# Altium PCB PCB2.PcbDoc (part 1 of 3) (continued)
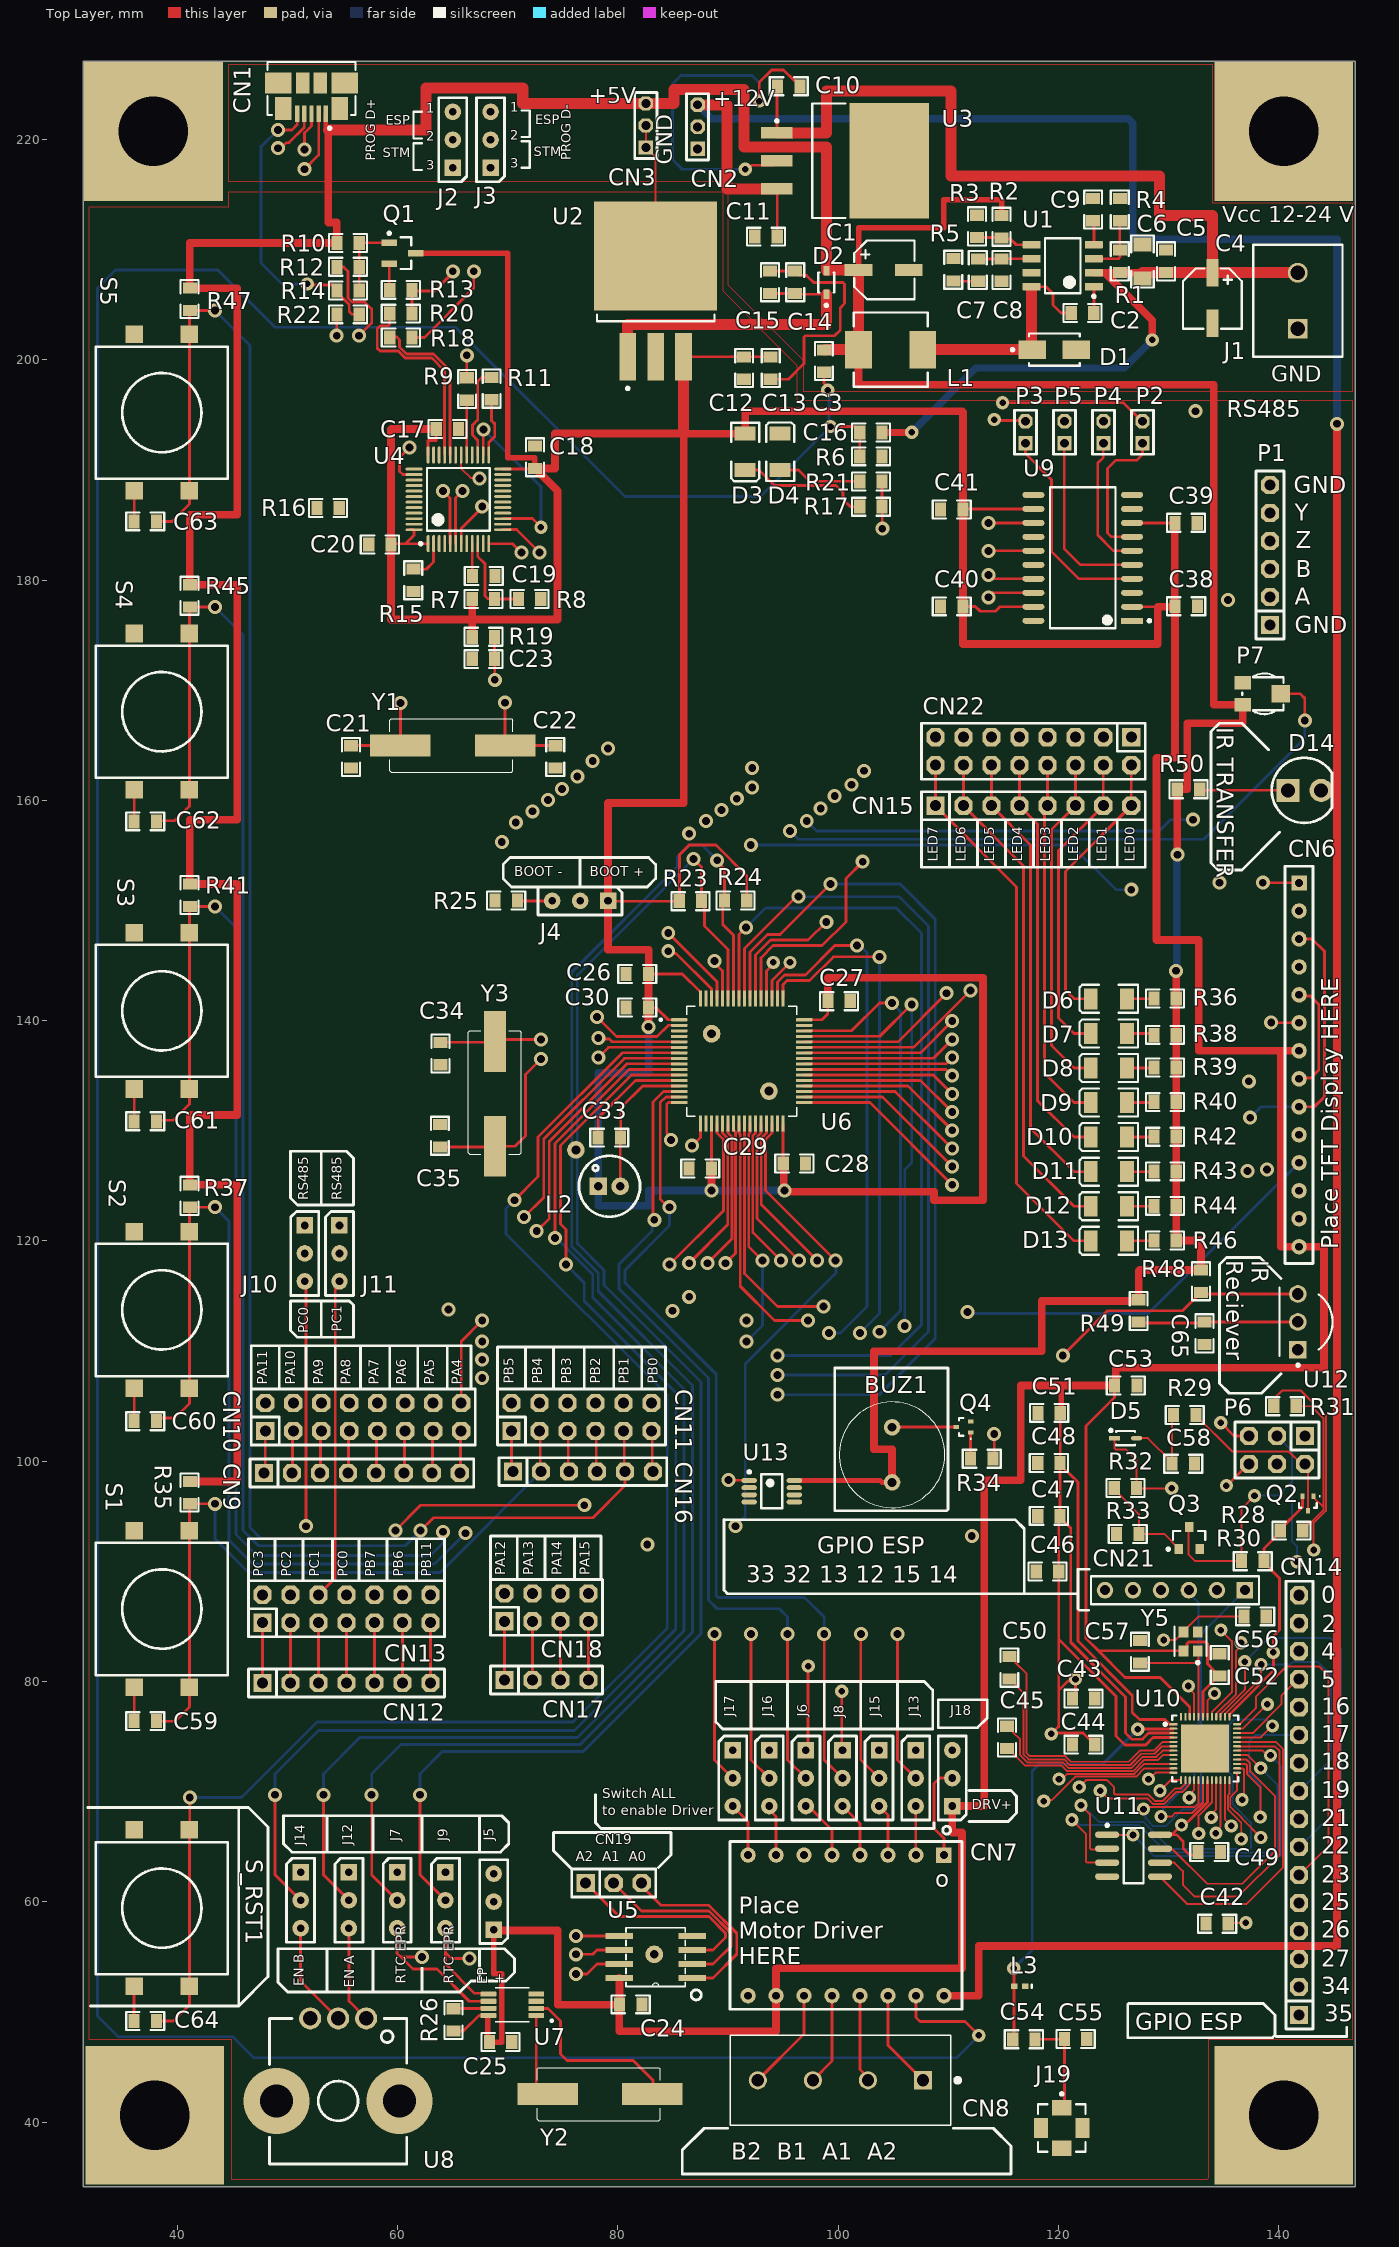
[diagram p0: Top Layer view]
## Classes and differential pairs
net class SupplyEXT: Vcc-EXT
net class Supply12V: +12V
net class Supply5V: +5V
net class Supply3V3: ESP_VDDA43 NetJ5_2
component class "Układ zasilania": C1 C2 C3 C4 C5 C6 C7 C8 C9 C10 C11 C12 C13 C14 C15 C16 CN1 CN2 CN3 D1 D2 J1 J2 J3 L1 R1 R2 R3 R4 R5 R6 U1 U2 U3
component class "Układ programatora ST Link": C17 C18 C19 C20 C21 C22 C23 D3 D4 Q1 R7 R8 R9 R10 R11 R12 R13 R14 R15 R16 R17 R18 R19 R20 R21 R22 U4 Y1
component class "Układ komunikacji WiFi": C42 C43 C44 C45 C46 C47 C48 C49 C50 C51 C52 C53 C54 C55 C56 C57 C58 D5 J19 L3 P6 Q2 Q3 R28 R29 R30 R31 R32 R33 U10 U11 Y5
component class "Peryferia użytkownika": BUZ1 C59 C60 C61 C62 C63 C64 C65 CN9 CN10 CN11 CN12 CN13 CN14 CN15 CN16 CN17 CN18 CN19 CN21 CN22 D6 D7 D8 D9 D10 D11 D12 D13 D14 P7 PA11 Q4 R34 R35 R36 R37 R38 R39 R40 R41 R42 R43 R44 R45 R46 R47 R48 R49 R50 S1 S2 S3 S4 S5 S_RST1 U12 U13
component class "Moduł komunikacji RS485": C38 C39 C40 C41 P1 P2 P3 P4 P5 U9
component class "Mikrokontroler i podzespoły": C24 C25 C26 C27 C28 C29 C30 C33 C34 C35 CN6 CN7 CN8 J4 J5 J6 J7 J8 J9 J10 J11 J12 J13 J14 J15 J16 J17 J18 L2 R23 R24 R25 R26 U5 U6 U7 U8 Y2 Y3

## Components (designator, comment, footprint, x,y, rotation, side; value= is the part's Value field where it differs from the comment)
BUZ1 "BMT1206UX" "Buzzer - LD-BZEG-1305" 104.902,100.584 r90 top
C1 "" CES_C_5.3x5.3_5.4 104.14,208.153 r90 top value=47uF
C2 "" 0805#1 122.301,204.343 r180 top value=0.1uF
C3 "" 0805#1 98.806,199.771 r90 top value=47uF
C4 "" CES_C_5.3x5.3_5.4 133.985,205.613 r0 top value=4.7uF
C5 "" 0805#1 129.667,209.042 r270 top value=4.7uF
C6 "Cap" C1206 127.635,208.915 r270 top value=0.22uF
C7 "" 0805#1 112.776,208.026 r90 top value=1nF
C8 "" 0805#1 114.935,208.026 r90 top value=47pF
C9 "" 0805#1 123.063,213.741 r270 top value=100nF
C10 "" 0805#1 95.631,224.917 r180 top value=0.22uF
C11 "" 0805#1 93.345,211.074 r0 top value=100nf
C12 "10uF" 0805#1 91.567,199.136 r90 top value=0.1uF
C13 "100n" 0805#1 93.98,199.136 r90 top value=0.1uF
C14 "1uF" 0805#1 96.012,207.137 r270 top value=0.1uF
C15 "100n" 0805#1 93.726,207.137 r270 top value=0.1uF
C16 "" 0805#1 102.87,193.294 r0 top value=100nF
C17 "100nF" 0805#1 64.643,193.802 r180 top
C18 "100nF" 0805#1 72.39,191.262 r270 top
C19 "100nF" 0805#1 67.945,180.467 r180 top
C20 "100nF" 0805#1 58.293,183.134 r0 top
C21 "20pF" 0805#1 55.88,163.83 r90 top
C22 "20pF" 0805#1 74.422,163.83 r90 top
C23 "100nF" 0805#1 67.691,172.72 r0 top
C24 "100nF" 0805#1 81.28,50.8 r180 top
C25 "100nF" 0805#1 69.469,47.371 r180 top
C26 "100nF" 0805#1 81.661,144.145 r0 top
C27 "100nF" 0805#1 100.203,141.859 r180 top
C28 "100nF" 0805#1 96.139,127.127 r180 top
C29 "100nF" 0805#1 87.376,126.492 r0 top
C30 "100nF" 0805#1 81.661,141.097 r0 top
C33 "100nF" 0805#1 79.121,129.286 r0 top
C34 "22pF" 0805#1 64.008,136.906 r90 top
C35 "22pF" 0805#1 63.754,129.667 r270 top
C38 "100nF" 0805#1 131.708,177.716 r180 top
C39 "100nF" 0805#1 131.699,185.293 r180 top
C40 "100nF" 0805#1 110.208,177.516 r0 top
C41 "10uF" 0805#1 110.208,186.316 r0 top value=100nF
C42 "1uF" 0805#1 134.3,57.925 r0 top value=100nF
C43 "100nF" 0805#1 122.394,78.545 r180 top
C44 "100nF" 0805#1 122.174,74.18 r0 top
C45 "270pF" 0805#1 115.425,74.825 r90 top value=100nF
C46 "100nF" 0805#1 118.9,89.9 r0 top
C47 "10uF" 0805#1 119.025,94.95 r0 top value=100nF
C48 "10uF" 0805#1 119.025,99.75 r0 top value=100nF
C49 "100nF" 0805#1 133.801,64.62 r180 top
C50 "270pF" 0805#1 115.45,81.375 r270 top value=100nF
C51 "100nF" 0805#1 119.05,104.3 r0 top
C52 "100nF" 0805#1 134.55,81.625 r270 top
C53 "100nF" 0805#1 126.225,106.975 r180 top
C54 "3.9pF" 0805#1 116.975,47.625 r180 top value=100nF
C55 "2.4pF" 0805#1 121.675,47.65 r180 top value=100nF
C56 "22pF" 0805#1 137.969,86.02 r180 top value=100nF
C57 "22pF" 0805#1 127.3,82.825 r270 top value=100nF
C58 "100nF" 0805#1 131.45,99.875 r180 top
C59 "100nF" 0805#1 37.211,76.505 r180 top
C60 "100nF" 0805#1 37.211,103.734 r180 top
C61 "100nF" 0805#1 37.211,130.962 r180 top
C62 "100nF" 0805#1 37.211,158.191 r180 top
C63 "100nF" 0805#1 37.211,185.42 r180 top
C64 "100nF" 0805#1 37.211,49.276 r180 top
C65 "10uF" 0805#1 133.35,111.506 r90 top
CN1 "473460001" 473460001 52.197,224.917 r90 top
CN2 "CN_3x1" GP_3x1_2mm 87.249,219.139 r90 top
CN3 "CN_3x1" GP_3x1_2mm 82.55,219.266 r90 top
CN6 "Złącze Wyświetlacza TFT" Display_TFT_Socket_1x14_Raster_2_54mm 141.85,135.99 r0 top
CN7 "Złącze na sterownik silników krokowych" Step_motor_Socket_TMC2209 91.828,57.875 r270 top
CN8 "Listwa zaciskowa" TE_282836-4 100.21,43.808 r180 top
CN9 "CN_8x1" GP_8x1 47.879,98.933 r0 top
CN10 "CN_8x2" GP_8x2 48.006,102.743 r0 top
CN11 "CN_6x2" GP_6x2 70.358,102.743 r0 top
CN12 "CN_7x1" GP_7x1 47.752,79.883 r0 top
CN13 "CN_7x2" GP_7x2 47.752,85.344 r0 top
CN14 "CN_16x1" GP_16x1 141.85,49.74 r90 top
CN15 "CN_8x1" GP_8x1 108.839,159.512 r0 top
CN16 "CN_6x1" GP_6x1 70.485,99.06 r0 top
CN17 "CN_4x1" GP_4x1 69.723,80.137 r0 top
CN18 "CN_4x2" GP_4x2 69.723,85.471 r0 top
CN19 "CN_3x1" GP_3x1 77.089,61.722 r0 top
CN21 "CN_6x1" HDR1X6 136.93,88.3 r180 top
CN22 "CN_8x2" GP_8x2 126.619,165.735 r180 top
D1 "B340A-13-F" FP-SMA-MFG 119.634,200.914 r0 top
D2 "BAT60JFILM" FP-BAT60JFILM-MFG 98.933,207.01 r90 top
D3 "GREEN" LED1206G 91.567,191.643 r270 top
D4 "RED" LED1206R 94.742,191.643 r90 top
D5 "TME@1N4148WS" FP-477AB-IPC_C 126.1,102.1 r0 top
D6 "GREEN" LED1206G 124.587,141.986 r180 top
D7 "GREEN" LED1206G 124.587,138.847 r180 top
D8 "GREEN" LED1206G 124.587,135.709 r180 top
D9 "GREEN" LED1206G 124.587,132.57 r180 top
D10 "GREEN" LED1206G 124.587,129.431 r180 top
D11 "GREEN" LED1206G 124.587,126.292 r180 top
D12 "GREEN" LED1206G 124.587,123.154 r180 top
D13 "GREEN" LED1206G 124.587,120.015 r180 top
D14 "IRD" LED-Polarized 143.343,160.909 r0 top
J1 "1729128" PHOE-1729128-2_V 141.732,205.359 r90 top
J2 "CN4" Jumper_1x3_Raster_2_54mm 65.024,218.694 r90 top
J3 "CN5" Jumper_1x3_Raster_2_54mm 68.453,218.694 r90 top
J4 "Zworka" Jumper_1x3_Raster_2_54mm 77.851,150.876 r180 top
J5 "Zworka" Jumper_1x3_Raster_2_54mm 68.734,58.754 r90 top
J6 "Zworka" Jumper_1x3_Raster_2_54mm 97.077,72.51 r270 top
J7 "Zworka" Jumper_1x3_Raster_2_54mm 59.971,61.421 r270 top
J8 "Zworka" Jumper_1x3_Raster_2_54mm 100.4,72.51 r270 top
J9 "Zworka" Jumper_1x3_Raster_2_54mm 64.353,61.421 r270 top
J10 "Zworka" Jumper_1x3_Raster_2_54mm 51.587,120.142 r270 top
J11 "Zworka" Jumper_1x3_Raster_2_54mm 54.737,120.142 r270 top
J12 "Zworka" Jumper_1x3_Raster_2_54mm 55.59,61.421 r270 top
J13 "Zworka" Jumper_1x3_Raster_2_54mm 107.047,72.51 r270 top
J14 "Zworka" Jumper_1x3_Raster_2_54mm 51.208,61.421 r270 top
J15 "Zworka" Jumper_1x3_Raster_2_54mm 103.724,72.51 r270 top
J16 "Zworka" Jumper_1x3_Raster_2_54mm 93.754,72.51 r270 top
J17 "Zworka" Jumper_1x3_Raster_2_54mm 90.431,72.51 r270 top
J18 "Zworka" Jumper_1x3_Raster_2_54mm 110.37,69.97 r90 top
J19 "TME@908-22101T" AMPH-908-22101_V 120.305,39.475 r180 top
L1 "IHLP2525CZER6R8M01" FP-IHLP-2525CZ-FP_2_413x3-MFG 104.775,200.914 r180 top
L2 "Coil" Coil_Raster_2mm 79.248,124.968 r0 top value=100u
L3 "TME@0402AS-2N7K-08" 0402-A 116.475,52.35 r180 top value=2.7nH
P1 "Zlacze RS" GP_6x1 139.208,175.916 r90 top
P2 "Zwora RS485_TX" GP_2x1_2mm 127.635,192.416 r90 top
P3 "Zwora RS485_RX" GP_2x1_2mm 117.008,192.416 r90 top
P4 "Zwora RS485_DX" GP_2x1_2mm 124.093,192.416 r90 top
P5 "Header 2" GP_2x1_2mm 120.55,192.416 r90 top
P6 "CN_3x2" GP_3x2 142.39,102.3 r180 top
P7 "20k" 3305SMD 138.684,169.672 r270 top
Q1 "30C02CH-TL-E" ONSC-CPH-3_V 60.452,209.677 r0 top
Q2 "TME@2SA1774G" ONSC-SC-75-3-463-01_V 142.65,96.175 r270 top
Q3 "TME@BC847ALT1G" ONSC-SOT-23-3-318-08_V 131.875,93.025 r90 top
Q4 "MMBT3904TT1G" ONSC-SC-75-3-463-01_V 111.379,103.124 r180 top
R1 "" 0805#1 125.476,209.042 r270 top value=332k
R2 "" 0805#1 114.935,211.963 r90 top value=10k2
R3 "" 0805#1 112.522,212.217 r270 top value=1k87
R4 "" 0805#1 125.476,213.741 r270 top value=68k1
R5 "" 0805#1 110.363,208.28 r270 top value=29k4
R6 "" 0805#1 102.87,191.135 r0 top value=0k
R7 "4k7" 0805#1 67.691,178.181 r0 top
R8 "4k7" 0805#1 71.882,178.181 r0 top
R9 "100" 0805#1 66.421,197.231 r90 top
R10 "10k" 0805#1 55.626,210.693 r180 top
R11 "100" 0805#1 68.453,197.485 r270 top
R12 "100" 0805#1 55.626,208.534 r180 top
R13 "1k5" 0805#1 60.198,206.248 r0 top
R14 "36k" 0805#1 55.626,206.375 r180 top
R15 "10k" 0805#1 61.341,180.086 r270 top
R16 "100k" 0805#1 53.594,186.436 r0 top
R17 "1k" 0805#1 102.87,186.563 r0 top
R18 "0" 0805#1 60.198,201.93 r0 top
R19 "100k" 0805#1 67.691,174.752 r0 top
R20 "0" 0805#1 60.198,204.089 r0 top
R21 "1k" 0805#1 102.87,188.849 r0 top
R22 "100k" 0805#1 55.626,204.216 r180 top
R23 "4K7" 0805#1 86.487,150.749 r0 top
R24 "4K7" 0805#1 90.805,151.003 r180 top
R25 "10K" 0805#1 69.977,151.003 r180 top
R26 "4K7" 0805#1 65,49.4 r270 top
R28 "10K" 0805#1 141.049,93.605 r0 top
R29 "4K7" 0805#1 131.576,104.295 r180 top
R30 "10K" 0805#1 137.75,91.025 r180 top
R31 "10K" 0805#1 140.462,104.902 r0 top
R32 "4K7" 0805#1 125.975,97.475 r0 top
R33 "4K7" 0805#1 126.4,93.5 r180 top
R34 "330" 0805#1 113.157,100.33 r180 top
R35 "10k" 0805#2 41.021,97.282 r270 top
R36 "2k" 0805#1 129.794,142.113 r180 top
R37 "10k" 0805#2 41.021,124.206 r270 top
R38 "2k" 0805#1 129.794,138.811 r180 top
R39 "2k" 0805#1 129.794,135.836 r180 top
R40 "2k" 0805#1 129.794,132.697 r180 top
R41 "10k" 0805#2 41.021,151.511 r270 top
R42 "2k" 0805#1 129.794,129.558 r180 top
R43 "2k" 0805#1 129.794,126.419 r180 top
R44 "2k" 0805#1 129.794,123.281 r180 top
R45 "10k" 0805#2 41.021,178.689 r270 top
R46 "2k" 0805#1 129.794,120.142 r180 top
R47 "10k" 0805#2 41.021,205.613 r270 top
R48 "10K" 0805#1 132.842,116.459 r270 top
R49 "180" 0805#1 127.381,113.538 r90 top
R50 "2k" 0805#1 131.699,160.909 r0 top
S1 "DTSM-25N" DTSM-25N 38.608,86.589 r90 top
S2 "DTSM-25N" DTSM-25N 38.608,113.741 r90 top
S3 "DTSM-25N" DTSM-25N 38.608,140.894 r90 top
S4 "DTSM-25N" DTSM-25N 38.608,168.046 r90 top
S5 "DTSM-25N" DTSM-25N 38.608,195.199 r90 top
S_RST1 "DTSM-25N" DTSM-25N 38.608,59.436 r90 top
U1 "TPS54331D" D0008A_M 120.396,208.534 r180 top
U2 "MIC29300-3.3WU-TR" FP-TO263-3LD-PL-1-MFG 83.439,208.071 r0 top
U3 "LM340S-12/NOPB" KTT0003B_N 100.648,218.059 r0 top
U4 "STM32F103CBT6" STM-LQFP48_L 65.532,187.325 r90 top
U5 "Moduł Pamięci EEPROM" SOIC127P794X203-8N 83.439,54.991 r180 top
U6 "Mikrokontroler ARM" QFP50P1200X1200X160-64N 91.25,136.33 r0 top
U7 "Układ RTC" SOP65P490X110-8N 70.427,50.66 r180 top
U8 "Enkoder obrotowy" Encoder_EC12E1220405 54.615,41.932 r180 top
U9 "ADM2587EBRWZ-REEL7" FP-RW-20-IPC_C 122.208,182.016 r180 top
U10 "ESP32-D0WDQ6" FP-ESP32-D0WDQ6-IPC_C 133.327,73.929 r0 top
U11 "M25P40-VMN6P" MICT-MN-8_N 126.825,64.2 r0 top
U12 "TSOP34848" Vishay_TSOP34838_0 141.732,112.649 r180 top
U13 "DS18B20U+" MAXM-U8+1_L 93.98,97.282 r0 top
Y1 "8MHz" HC49/4H 64.897,164.973 r180 top
Y2 "32.768kHz" HC49/4H 78.275,42.55 r180 top
Y3 "48MHz" HC49/4H 68.834,133.477 r90 top
Y5 "625L3C040M00000" FP-625-MFG 132,83.65 r90 top

## Footprints (in the part's own frame and the unit in brackets; to place one, negate y for a bottom-side part, rotate by r counter-clockwise, add the part's x,y. Pads: shape width x height; smd on the part's side, far side on the other; paste and mask are expansions set on the pad)
0402-A [mm] "Chip Inductor, Body 1.0x0.5mm, IPC High Density"
  rect 0.6x0.5 smd: 1(-0.5,0) 2(0.5,0)
  silkscreen extent -1.1,-0.15 -1.1,0.15, body extent -0.55,-0.3 0.55,0.3, height 0.55
0805#1 [mil]
  rect 40x50 smd: 1(-35.68,3.75) 2(44.32,3.75)
  silkscreen extent -64,-28 72,36, body extent -35,-21 44,28, height 31
0805#2 [mil]
  rect 40x50 smd: 1(-35,5) 2(45,5)
  silkscreen extent -64,-28 72,36, body extent -35,-21 44,28, height 31
3305SMD [mm] "SRPassives 3305 SMT trimming potentiometer"
  rect 1.2x1.5 smd: 1(-1,-1.95) 2(1,-1.95)
  rect 1.6x1.7 smd: 3(0,1.5)
  silkscreen extent -1.85,-2 1.85,1.75, body extent -1.85,-2 1.85,1.85, height 1.2
473460001 [mm] "Molex 473460001 microUSB Connector"
  rect 1.5x0.4 smd: 1(-2.6,-1.3) 2(-2.6,-0.65) 3(-2.6,0) 4(-2.6,0.65) 5(-2.6,1.3)
  rect 2.1x1.5 smd: S(-2.1,-2.55) S(-2.1,2.55)
  rect 1.9x2.4 smd: S(0.2,3) S(0.2,-3)
  rect 1.9x1.2 smd: S(0.2,0.8) S(0.2,-0.8)
  silkscreen extent -4.02,-4 2.1,4, body extent -2.65,-3.99 2.78,3.99, height 2.72
AMPH-908-22101_V [mil] "Connector, 4-Leads, Body 4.318x4.318mm"
  rect 70x55 smd paste-39.37: 1(0,-72.5) 3(0,72.5)
  rect 50x70 smd paste-39.37: 2(75,0) 4(-75,0)
  silkscreen extent -85,-127 85,85, body extent -85,-85 85,85, height 143
"Buzzer - LD-BZEG-1305" [mm]
  round 1.5 hole 0.8 paste+0 mask+0.03: 1(-2.5,0) 2(2.5,0)
  silkscreen extent -4.8,-4.8 4.8,4.8, body extent -4.8,-4.8 4.8,4.8, height 5
C1206 [mil]
  rect 50x65 smd: 1(-60,0) 2(60,0)
  silkscreen extent -93,-40 93,40, body extent -63,-31 63,32, height 39
CES_C_5.3x5.3_5.4 [mm] "SMT Aluminum Electrolytic Capacitor, C Size; base: 5.3x5.3mm, height: 5.4mm"
  rect 1.1x2.5 smd: 1(0,2.286) 2(0,-2.286)
  silkscreen extent -2.67,-2.79 2.67,2.67, body extent -2.65,-2.95 2.65,2.95, height 5.41
Coil_Raster_2mm [mm]
  rect 1.6x1.6 hole 0.8: 1(-1.016,0)
  round 1.6 hole 0.8: 2(0.974,-0.005)
  silkscreen extent -2.77,-2.77 2.77,2.77, body extent -2.79,-2.75 2.75,2.75, height 7.5
D0008A_M [mm] "SOIC, 8-Leads, Body 5x4mm, Pitch 1.27mm, IPC Low Density"
  rrect15% 1.65x0.65 smd: 1(-2.825,1.905) 2(-2.825,0.635) 3(-2.825,-0.635) 4(-2.825,-1.905) 5(2.825,-1.905) 6(2.825,-0.635) 7(2.825,0.635) 8(2.825,1.905)
  silkscreen extent -2.95,-2.5 1.6,2.9, body extent -3,-2.45 3,2.45, height 1.63
Display_TFT_Socket_1x14_Raster_2_54mm [mm]
  rect 1.4x1.4 hole 0.7: 1(0,16.51)
  round 1.4 hole 0.7: 2(0,13.97) 3(0,11.43) 4(0,8.89) 5(0,6.35) 6(0,3.81) 7(0,1.27) 8(0,-1.27) 9(0,-3.81) 10(0,-6.35) 11(0,-8.89) 12(0,-11.43) 13(0,-13.97) 14(0,-16.51)
  silkscreen extent -1.27,-18.03 1.27,18.03, body extent -1.27,-18.03 1.27,18.03, height 8.5
DTSM-25N [mm] "Diptronics SPST-NO, 50mA/12VDC Brown TACT Switch"
  rect 1.6x1.6 smd: 1(-7.1,-2.5) 1(7.1,-2.5) 2(-7.1,2.5) 2(7.1,2.5)
  silkscreen extent -6,-6 6,6, body extent -7.5,-6 7.5,6, height 8.5
Encoder_EC12E1220405 [mm] "Enkoder obrotowy"
  round 2 hole 1.3: 1(-2.54,-7.493) 2(2.54,-7.493) 3(0,-7.493)
  silkscreen extent -6.22,-7.49 6.22,5.72, body extent -7,-7.65 7,6.6, height 24.7
FP-477AB-IPC_C [mm]
  rect 1.006x0.392 smd paste+0 mask+0: 1(-1,0)
  rrect100% 1.006x0.392 smd paste+0 mask+0: 2(1,0)
  silkscreen extent -1.46,-0.65 0.85,0.82, body extent -1.6,-0.72 1.6,0.72, height 0.25
FP-625-MFG [mm]
  rect 1x0.9 smd paste+0 mask+0: 1(-0.85,-0.65) 2(0.85,-0.65) 3(0.85,0.65) 4(-0.85,0.65)
  silkscreen extent -2.05,-1.45 1.33,1.45, body extent -1.45,-1.2 1.45,1.2, height 0.25
FP-BAT60JFILM-MFG [mm]
  rect 0.86x0.54 smd paste+0 mask+0: 1(-1.07,0) 2(1.07,0)
  silkscreen extent -2.2,-0.72 0.9,0.72, body extent -1.6,-0.82 1.6,0.82, height 0.25
FP-ESP32-D0WDQ6-IPC_C [mm]
  rect 0.718x0.192 smd paste+0 mask+0: 1(-2.877,2.2)
  rrect100% 0.718x0.192 smd paste+0 mask+0: 2(-2.877,1.8) 3(-2.877,1.4) 4(-2.877,1) 5(-2.877,0.6) 6(-2.877,0.2) 7(-2.877,-0.2) 8(-2.877,-0.6) 9(-2.877,-1) 10(-2.877,-1.4) 11(-2.877,-1.8) 12(-2.877,-2.2) 25(2.877,-2.2) 26(2.877,-1.8) 27(2.877,-1.4) 28(2.877,-1) 29(2.877,-0.6) 30(2.877,-0.2) 31(2.877,0.2) 32(2.877,0.6) 33(2.877,1) 34(2.877,1.4) 35(2.877,1.8) 36(2.877,2.2)
  rrect100% 0.192x0.718 smd paste+0 mask+0: 13(-2.2,-2.877) 14(-1.8,-2.877) 15(-1.4,-2.877) 16(-1,-2.877) 17(-0.6,-2.877) 18(-0.2,-2.877) 19(0.2,-2.877) 20(0.6,-2.877) 21(1,-2.877) 22(1.4,-2.877) 23(1.8,-2.877) 24(2.2,-2.877) 37(2.2,2.877) 38(1.8,2.877) 39(1.4,2.877) 40(1,2.877) 41(0.6,2.877) 42(0.2,2.877) 43(-0.2,2.877) 44(-0.6,2.877) 45(-1,2.877) 46(-1.4,2.877) 47(-1.8,2.877) 48(-2.2,2.877)
  rect 4.35x4.35 smd paste-1000 mask+0: 49(0,0)
  silkscreen extent -3.76,-3 3,3, body extent -3.34,-3.34 3.34,3.34, height 0.25
FP-IHLP-2525CZ-FP_2_413x3-MFG [mil]
  rect 95x135 smd paste+0 mask+0: 1(-115,0) 2(115,0)
  silkscreen extent -132,-132 132,132, body extent -166,-136 166,136, height 10
FP-RW-20-IPC_C [mm]
  rect 1.998x0.542 smd paste+0 mask+0: 1(-4.478,5.715)
  rrect100% 1.998x0.542 smd paste+0 mask+0: 2(-4.478,4.445) 3(-4.478,3.175) 4(-4.478,1.905) 5(-4.478,0.635) 6(-4.478,-0.635) 7(-4.478,-1.905) 8(-4.478,-3.175) 9(-4.478,-4.445) 10(-4.478,-5.715) 11(4.478,-5.715) 12(4.478,-4.445) 13(4.478,-3.175) 14(4.478,-1.905) 15(4.478,-0.635) 16(4.478,0.635) 17(4.478,1.905) 18(4.478,3.175) 19(4.478,4.445) 20(4.478,5.715)
  silkscreen extent -6.18,-6.4 2.98,6.4, body extent -5.58,-6.5 5.58,6.5, height 0.25
FP-SMA-MFG [mm]
  rect 2.5x1.7 smd paste+0 mask+0: 1(-2,0) 2(2,0)
  silkscreen extent -3.92,-1.46 2.3,1.46, body extent -3.35,-1.56 3.35,1.56, height 0.25
FP-TO263-3LD-PL-1-MFG [mil]
  rect 60x170 smd paste+0 mask+0: 1(-100,-306.75) 2(0,-306.75) 3(100,-306.75)
  rect 440x390 smd paste+0 mask+0: 4(0,53.25)
  silkscreen extent -210,-425 210,-157, body extent -224,-396 224,252, height 10
GP_2x1_2mm [mm]
  rect 1.3x1.3 hole 0.8: 1(0,0)
  oct 1.3x1.3 hole 0.8: 2(2,0)
  silkscreen extent -1,-1 3,1, body extent -1,-0.99 3,0.99, height 5.51
GP_3x1 [mil]
  rect 65x65 hole 39.37: 1(0,0)
  oct 65x65 hole 39.37: 2(100,0) 3(200,0)
  silkscreen extent -50,-50 250,50, body extent -50,-50 250,50, height 330
GP_3x1_2mm [mm]
  rect 1.3x1.3 hole 0.8: 1(0,0)
  oct 1.3x1.3 hole 0.8: 2(2,0) 3(4,0)
  silkscreen extent -1,-1 5,1, body extent -1,-0.99 5,0.99, height 5.51
GP_3x2 [mil]
  rect 65x65 hole 39.37: 1(0,0)
  oct 65x65 hole 39.37: 2(0,100) 3(100,0) 4(100,100) 5(200,0) 6(200,100)
  silkscreen extent -50,-50 250,150, body extent -50,-50 250,150, height 330
GP_4x1 [mil]
  rect 65x65 hole 39.37: 1(0,0)
  oct 65x65 hole 39.37: 2(100,0) 3(200,0) 4(300,0)
  silkscreen extent -50,-50 350,50, body extent -50,-50 350,50, height 330
GP_4x2 [mil]
  rect 65x65 hole 39.37: 1(0,0)
  oct 65x65 hole 39.37: 2(0,100) 3(100,0) 4(100,100) 5(200,0) 6(200,100) 7(300,0) 8(300,100)
  silkscreen extent -50,-50 350,150, body extent -50,-50 350,150, height 330
GP_6x1 [mil]
  rect 65x65 hole 39.37: 1(0,0)
  oct 65x65 hole 39.37: 2(100,0) 3(200,0) 4(300,0) 5(400,0) 6(500,0)
  silkscreen extent -50,-50 550,50, body extent -50,-50 550,50, height 330
GP_6x2 [mil]
  rect 65x65 hole 39.37: 1(0,0)
  oct 65x65 hole 39.37: 2(0,100) 3(100,0) 4(100,100) 5(200,0) 6(200,100) 7(300,0) 8(300,100) 9(400,0) 10(400,100) 11(500,0) 12(500,100)
  silkscreen extent -50,-50 550,150, body extent -50,-50 550,150, height 330
GP_7x1 [mil]
  rect 65x65 hole 39.37: 1(0,0)
  oct 65x65 hole 39.37: 2(100,0) 3(200,0) 4(300,0) 5(400,0) 6(500,0) 7(600,0)
  silkscreen extent -50,-50 650,50, body extent -50,-50 650,50, height 330
GP_7x2 [mil]
  rect 65x65 hole 39.37: 1(0,0)
  oct 65x65 hole 39.37: 2(0,100) 3(100,0) 4(100,100) 5(200,0) 6(200,100) 7(300,0) 8(300,100) 9(400,0) 10(400,100) 11(500,0) 12(500,100) 13(600,0) 14(600,100)
  silkscreen extent -50,-50 650,150, body extent -50,-50 650,150, height 330
GP_8x1 [mil]
  rect 65x65 hole 39.37: 1(0,0)
  oct 65x65 hole 39.37: 2(100,0) 3(200,0) 4(300,0) 5(400,0) 6(500,0) 7(600,0) 8(700,0)
  silkscreen extent -50,-50 750,50, body extent -50,-50 750,50, height 330
GP_8x2 [mil]
  rect 65x65 hole 39.37: 1(0,0)
  oct 65x65 hole 39.37: 2(0,100) 3(100,0) 4(100,100) 5(200,0) 6(200,100) 7(300,0) 8(300,100) 9(400,0) 10(400,100) 11(500,0) 12(500,100) 13(600,0) 14(600,100) 15(700,0) 16(700,100)
  silkscreen extent -50,-50 750,150, body extent -50,-50 750,150, height 330
GP_16x1 [mil]
  rect 65x65 hole 39.37: 1(0,0)
  oct 65x65 hole 39.37: 2(100,0) 3(200,0) 4(300,0) 5(400,0) 6(500,0) 7(600,0) 8(700,0) 9(800,0) 10(900,0) 11(1000,0) 12(1100,0) 13(1200,0) 14(1300,0) 15(1400,0) 16(1500,0)
  silkscreen extent -50,-50 1550,47, body extent -50,-50 1550,50, height 330
HC49/4H [mm] "Crystal Oscillator"
  rect 5.5x2 smd: 1(-4.87,0) 2(4.63,0)
  silkscreen extent -5.59,-2.41 5.59,2.41, body extent -6.7,-2.45 6.7,2.45, height 5.08
HDR1X6 [mm] "Connector; Header; 6 Position"
  rect 1.5x1.5 hole 0.9: 1(0,0)
  round 1.5 hole 0.9: 2(2.54,0) 3(5.08,0) 4(7.62,0) 5(10.16,0) 6(12.7,0)
  silkscreen extent -1.27,-1.27 13.97,1.27
Jumper_1x3_Raster_2_54mm [mm]
  rect 1.5x1.5 hole 0.7: 1(-1.27,0)
  round 1.5 hole 0.7: 2(1.27,0) 3(3.81,0)
  silkscreen extent -2.54,-1.27 5.08,1.27, body extent -2.54,-1.27 5.08,1.27, height 9
KTT0003B_N [mm] "D2-PAK, 3-Leads, Body 10.41x8.89mm, Pitch 2.54mm, IPC Medium Density"
  rect 2.85x1.05 smd: 1(-6.2,2.54) 2(-6.2,0) 3(-6.2,-2.54)
  rect 7.2x10.5 smd: 4(4,0)
  silkscreen extent -6.32,-5.2 0,5.2, body extent -6.78,-5.2 7.57,5.2, height 4.64
LED1206G [mm]
  rect 1.27x1.9 smd: 1(-1.65,0) 2(1.65,0)
  silkscreen extent -2.64,-1.27 2.67,1.27, body extent -1.61,-0.8 1.61,0.8, height 1.1
LED1206R [mm]
  rect 1.27x1.9 smd: 1(-1.65,0) 2(1.65,0)
  silkscreen extent -2.64,-1.27 2.67,1.27, body extent -1.61,-0.8 1.61,0.8, height 1.1
LED-Polarized [mm]
  rect 2.1x2.1 hole 1.27: 1(-2.5,0)
  round 2.1 hole 1.27: 2(0.508,0)
  silkscreen extent -3.97,-2.96 1.5,2.96, body extent -4,-3 1.5,3, height 8.5
MAXM-U8+1_L [mm] "SOP, 8-Leads, Body 3x3mm, Pitch 0.65mm, IPC High Density"
  oval 1.4x0.45 smd: 1(-2.05,0.975) 2(-2.05,0.325) 3(-2.05,-0.325) 4(-2.05,-0.975) 5(2.05,-0.975) 6(2.05,-0.325) 7(2.05,0.325) 8(2.05,0.975)
  silkscreen extent -2.17,-1.55 0.95,1.87, body extent -1.55,-1.55 1.55,1.55, height 1.1